# Altium PCB KCP-2282-601-PCBV3.8.PcbDoc (part 3 of 3)
Units mm, origin at the board's own origin, x right, y up, seen from the top; angles counter-clockwise.
Board outline 58.3 x 95.6 mm, 4 copper layers (Top (1), GND (2), VCC (3), Bottom (4)), stack 1.595 mm thick; 164 components, 88 nets, 538 pads, 533 vias.
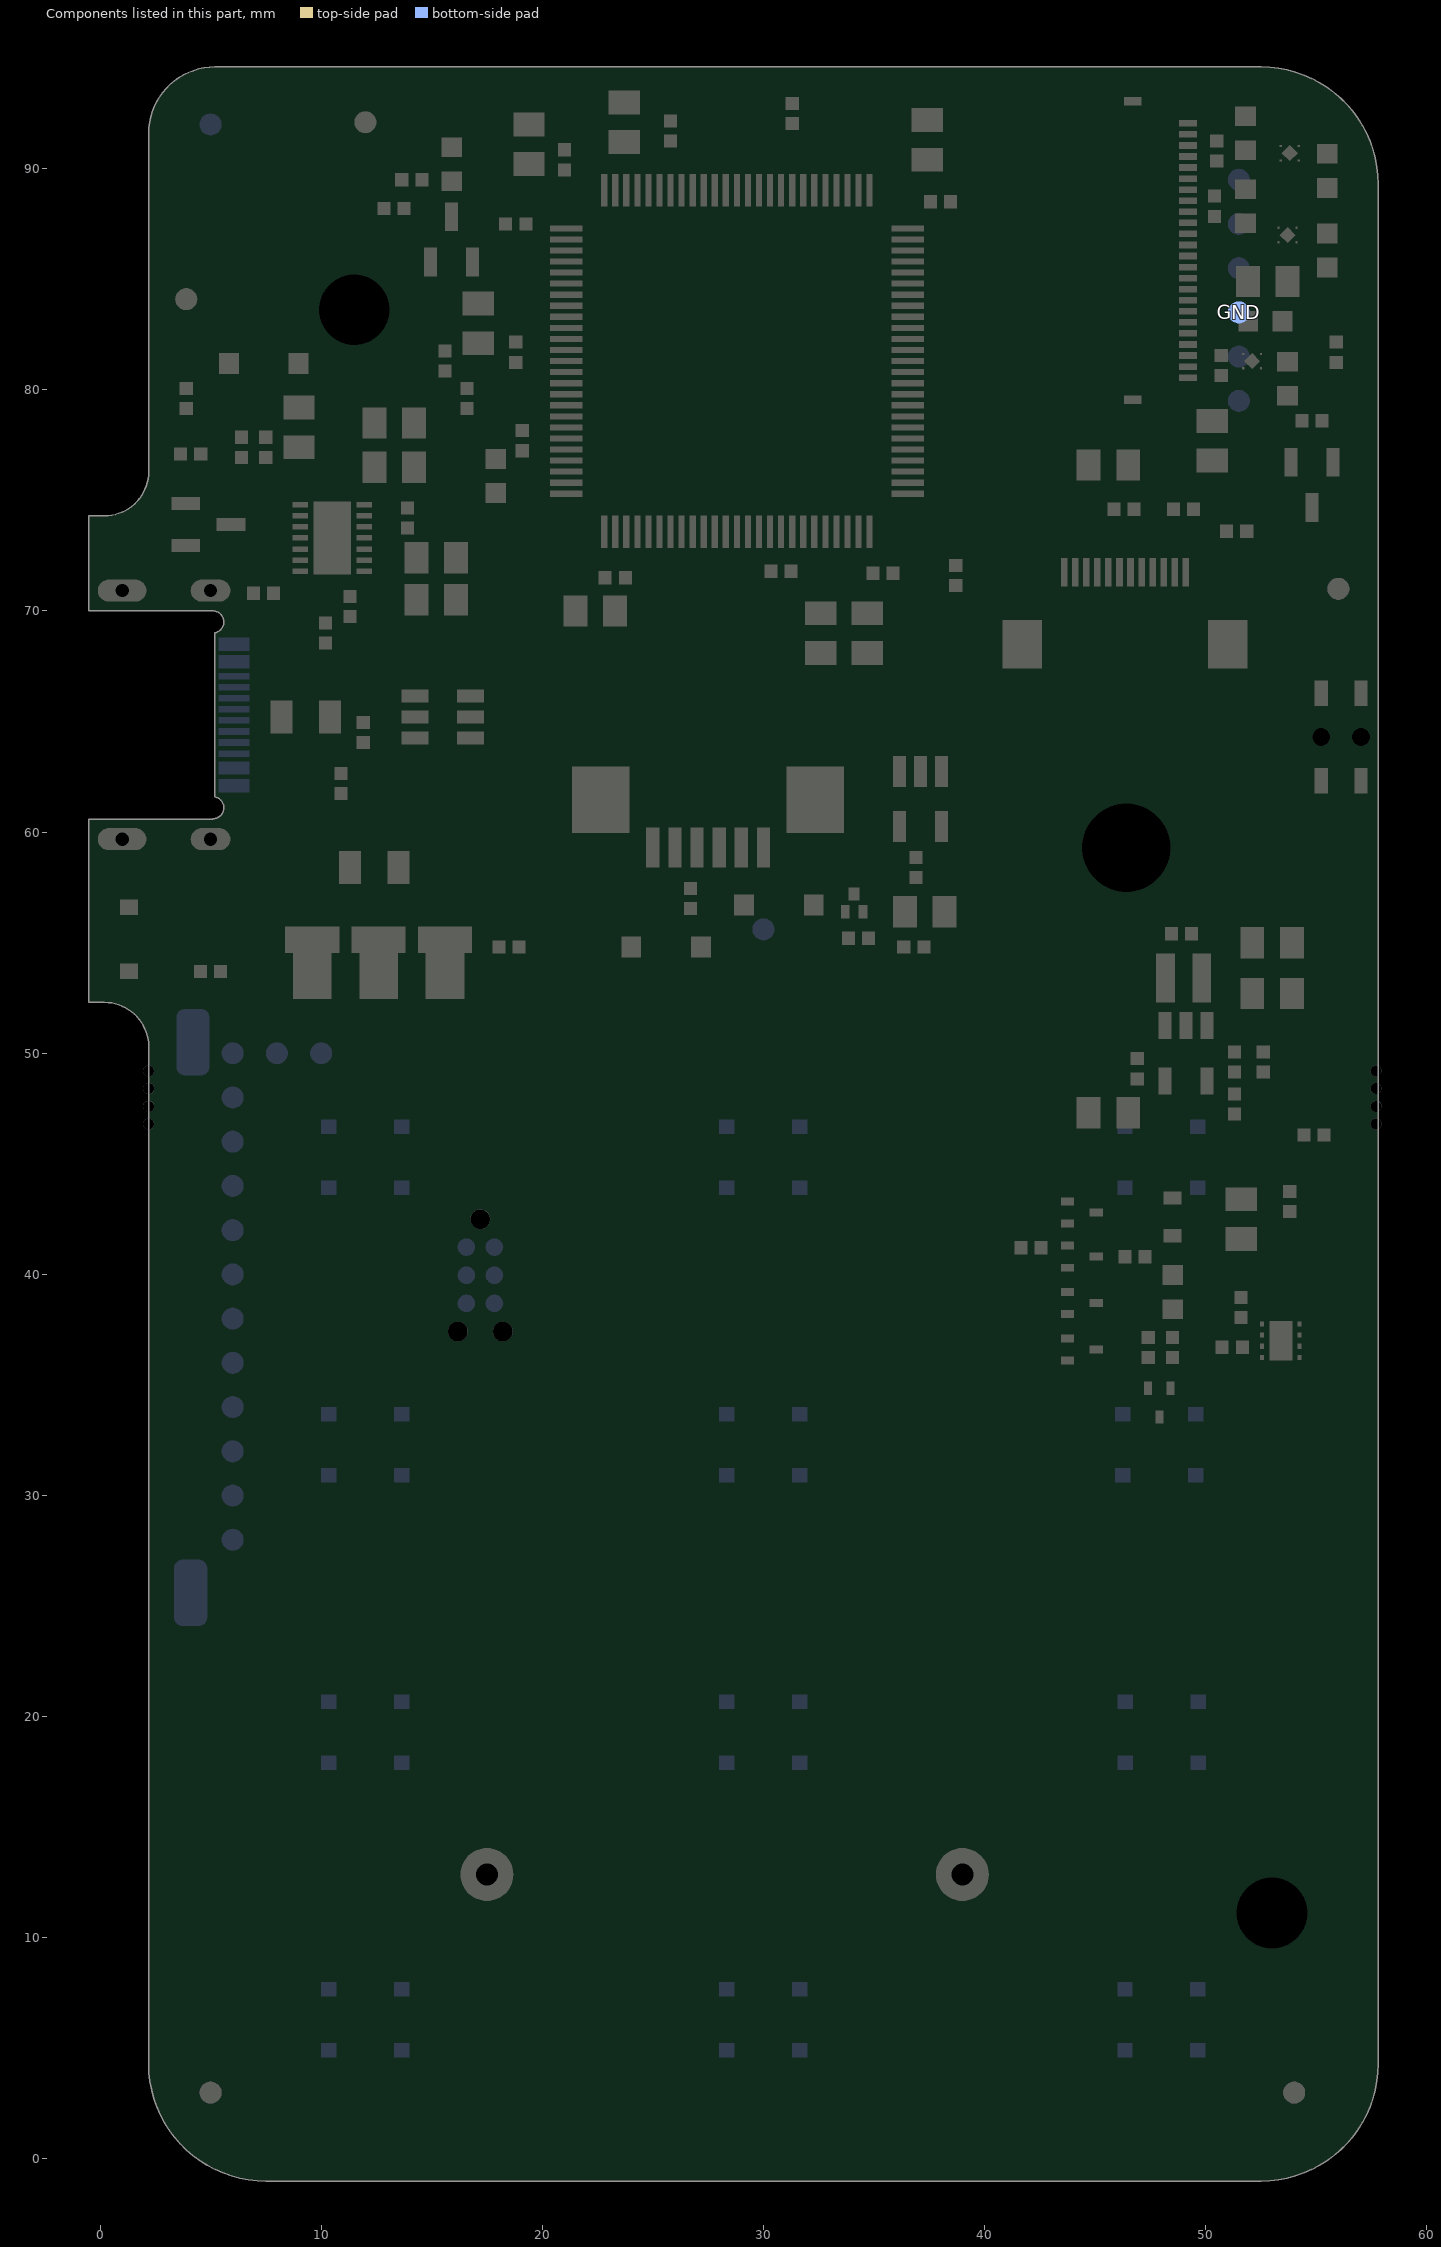
[diagram p5: the components of this part, seen from the top]

## Other copper
Top (1):
  rectangle net V1P8: 50.2,81.6 51.5,86.2
  rectangle net V3P0: 53.7,81 55.1,82.2
  rectangle net V3P0: 16.9,76.7 20.7,77.4
  rectangle net VSYS: 10.4,77.3 12.9,79
  rectangle net BAT: 8.5,75.2 10.7,76.7
  rectangle net BAT: 13.3,57.6 15,60
  rectangle net VSYS: 11.6,74.2 12.9,79.4
  region net V1P8: 36.3,54.2 36.3,56.9 34.6,56.9 34.6,54.2
  rectangle net VUSB: 11.6,73.2 14.3,73.9
  rectangle net VUSB: 13,69.8 14.3,73.9
  rectangle net BAT: 8.4,74.4 9.5,77.4
  rectangle net VSYS: 49.7,37.5 52.6,38.4
  rectangle net VSYS_SWITCHED: 54.2,37.6 55.3,38.4
  rectangle net VSYS_SWITCHED: 46.2,46.1 48.2,49.1
  rectangle net NetC28_1: 49.7,48.2 52.9,49.1
  rectangle net V3P0: 49.2,52.1 52,55.9
  rectangle net NetIC2_3: 47.4,50.6 48.5,54.6
  rectangle net V3P0: 51,49.9 52.9,50.4
  rectangle net V1P8: 23.6,68.1 24.8,70.9
  pour cut-out: 34.3,19 34.9,18.4 35.2,18.4 35.2,21
  pour cut-out: 33.8,27.9 33.8,27 34.9,25.9 34.9,29.3 34.7,29.5
  pour cut-out: 32.7,35 32.7,33.8 34.3,31.9 34.3,33.4
  pour cut-out: 21.8,58.2 20.2,58.2 20,58 19.5,56.6 19.5,53.8 18.7,53.3 18.7,50.6 18.3,48.4 18.3,48.2 19.3,47.2 19.3,41.8 18.7,41.38 19.8,40.4 19.8,45.8 21.5,47.5 22.3,47.5 22.5,47.7 22.5,53.3 23.6,54.4 23.6,55 23.2,55.4 23.2,57.5 22.8,57.9
  pour cut-out: 37.1,57.7 37,57.6 37,56.9 36.3,56.2 32.9,56.2 32.6,56.5 32.6,57.3 32.9,57.3 33.7,58.1 33.9,57.9 36.2,57.9 36.2,60.233 37.3,60.6
  pour cut-out: 37.9,91.3 37.9,88.5 36.6,87.2 35.9,87.2 35.9,84.3 35.1,83.5 35,83.6 33.2,83.6 33.2,80.4 32.8,80 32.6,80.2 32.6,87.6 31.3,88.9 31.3,91.8 31.5,92 31.5,91.9 32.1,91.3
  pour cut-out: 25.9,91.6 24.7,91.6 24.5,91.8 23.8,91.1 23.8,89.6 24.1,89.3 25.8,89.3
  pour cut-out: 13.7,89.6 13.4,89.6 12.7,88.9 12.7,87.5 12.9,87.3 14,87.3 15,86.3 15,85 17,85 17,85.1 17.3,85.4 18.3,85.4 18.9,84.8 18.9,83.3 18.7,83.1 15.4,83.1 15.4,81.4 15.6,81.2 15.6,80.1 17.2,80.1 17.2,81.5 18.2,82.5 19,82.5 19,83.1 19.4,83.5 20.6,83.5 20.7,83.6 20.7,84.8 18.8,84.8 18.3,85.3 18.3,88.1 16.9,89.5 16,89.5 15.6,89.9 14.8,89.9
  pour cut-out: 7.5,77.3 6,77.3 5.8,77.5 3.7,77.5 3.3,77.1 3.3,74.5 4.6,74.5 5.9,73.2 5.9,73.5 7.2,74.8 7.2,75.8 7.6,76.2
  pour cut-out: 12.7,70.9 11.5,70.9 11.5,71.7 12.7,71.7
  pour cut-out: 11.9,68.2 9.8,68.2 9.8,66.4 10.3,66.4 10.4,66.5
  pour cut-out: 6.2,67.6 6.2,63.1 7.1,63.1 7.5,63.5 7.5,67.6
  pour cut-out: 20,74.1 21.4,72.7 22.8,72.7 22.8,74.6 22.9,74.7 22.1,75.5 20,75.5
  pour cut-out: 25.8,75.5 24.8,75.5 23.6,74.3 26.6,74.3
  pour cut-out: 25.3,71.7 25.8,71.2 25.9,71.2 26.4,71.7 26.3,71.8 26.3,72.7 25.4,72.7 25.3,72.6
  pour cut-out: 36,76.3 37.7,76.3 39.6,74.4 39.6,69.8 37.7,69.8 37.7,72.1 36.6,73.2 36.5,73.1 34.9,73.1 34.6,73.4 34.6,75.3
  pour cut-out: 31.9,69.3 28.7,69.3 28.1,69.9 28.3,70.1 28.3,73.3 33.2,73.3 33.3,73.2 33.3,72.1 32.9,71.7
  pour cut-out: 44.3,71 44.3,73.7 44.4,73.8 45.5,73.8 46.3,74.6 46.3,76.6 47.1,77.4 50,77.4 50,76.7 49.3,76 49.3,74 49.7,73.6 49.1,73 49.1,72.6 47.5,71
  pour cut-out: 54.4,74.5 53.9,74 52.2,74 52.2,72.8 52.3,72.9 54.4,72.9 54.9,73.4 54.9,74.2
  pour cut-out: 57.4,67.1 54.8,67.1 54.8,63.1 54.2,62.5 53.3,62.5 56.2,59.6 56.2,60.3 56.4,60.5 57.5,60.5
  pour cut-out: 45.8,42.7 45.8,41.4 46.2,41 45.8,40.6 44.9,40.6 44.9,42.1 44.5,42.5 44.5,43.1 45.5,43.1
  pour cut-out: 50.1,36.6 50.1,36 49.6,35.5 48.4,35.5 48.4,34.1 50.1,34.1 51.1,35.1 52.9,35.1 52.9,35.3 52.5,35.7 52.5,37.1
  pour cut-out: 49.5,85.3 50.1,85.3 51,86.2 51.5,86.2 51.5,87.1 51.6,87.2 51.3,87.5 51.3,88.1 50.9,88.1 50.8,88.2 49.5,88.2
  pour cut-out: 48,85.3 48,81.5 44.8,78.3 42.2,78.3 42.7,77.8 42.7,75 40.4,75 38.5,76.9 37.9,76.9 37.9,76.3 36.2,76.3 36.2,86.1 36.6,86.5 38.2,86.5 40.1,88.4 43.3,88.4 44.6,87.1 48.1,87.1
  pour cut-out: 44.1,41.1 44.1,36.9 43.9,37.1 42.7,37.1 42.5,37.3 42.5,41.6 43.8,41.6
  pour cut-out: 12.3,57.2 11.1,57.2 10.8,56.9 10.8,56.2 11.4,56.2 11.4,54.7 11.8,54.7 11.8,52.4 11,52.4 11,51.2 9.6,49.8 7.2,49.8 6.4,49 5.1,49 4.6,49.5 4.6,50 6.4,51.8 7.7,51.8 8.2,52.3 8.2,54.1 7.9,54.1 7.9,56.2 8.2,56.2 8.2,58.1 9.7,59.6 12.3,59.6
  text "1" at 36.7,1.4 h1
GND (2):
  text "2" at 37.5,1.4 h1
VCC (3):
  rectangle net V3P0: 50.2,54.2 51.5,55.7
  pour cut-out: 8.7,64.8 7.3,63.1 8,62.4 8,61.9 8.1,61.9 8.9,62.7
  pour cut-out: 9.7,43.4 9.6,43.3 8,43.1 7.05,42.15 7.9,40.1 8.8,39.8 8.15,39.15 7.9,39.4 7.6,39.4 6.2,38 5.3,38.4 5.4,41.9 6.5,43 6.5,43.8 6.9,43.8 8.4,45 9.3,44.9
  pour cut-out: 6.1,47.7 8.8,47.7 9.2,48.1 9.2,48.7 9.3,48.7 10.1,49.5 10,49.6 10,50.4 8.3,50.4 7.8,49.9
  pour cut-out: 6.5,36.5 6.5,36.1 5.3,34.9 5.1,34.9 5.1,36.7
  pour cut-out: 6.4,31.9 6.3,31.8 6.3,29.9 5,31.2 5,32.9
  text "3" at 39.4,1.4 h1
Bottom (4):
  rectangle net VSYS: 50.2,35.8 51.6,38.2
  rectangle net USB_5V: 6,62.6 7.7,63.2
  rectangle net USB_5V: 5.9,67.4 7.6,68
  rectangle net BAT: 13.3,58.5 15,60
  pour cut-out: 20.9,56.1 20.9,55.8 21.2,55.5 22.2,55.5 22.2,56.5 22.1,56.6
  pour cut-out: 11.3,63.2 11.7,63.6 13.3,63.6 13.3,70.2 13.1,70 11.3,70 11.3,69.3 10.1,68.1 7.8,68.1 7.7,68.2 5.3,68.2 5.3,62.4 7.7,62.4 7.9,62.6 7.9,63.2
  pour cut-out: 18.3,78.2 18.5,78 18.5,74.4 18,74.4 16.8,75.6 15.9,75.6 14.5,77 14.6,77.1 14.6,77.4 16,77.4 16.3,77.7 16.3,78.2
  pour cut-out: 12.3,90.8 12.3,89.7 12,89.4 11.9,89.5 11,89.5 11,90.7 11.5,91.2
  pour cut-out: 29.2,91.2 28.3,90.3 28.1,90.3 28.1,91.1 27.8,91.4
  pour cut-out: 27.8,89.3 26.8,88.3 26.2,88.3 25.9,88 25.5,88 25.5,85.8 25.6,85.7 35.4,85.7 36,85.1 36,83.8 36.2,83.6 37.4,83.6 37.4,82.6 45.2,82.6 48.4,85.8 48.4,89.5 49.7,90.8 49.6,90.9 49.6,91.1 47.3,91.1 47.3,89.5 45.5,87.7 45,87.7 44.5,88.2 33.9,88.2 32.7,87 30.5,87 30,87.5 30,89 29.8,89.2
  pour cut-out: 28,90.1 37.5,90.1 38.4,91 40.1,91 39.1,92 27.8,92
  pour cut-out: 23,80.3 22.6,79.1 22.6,77.1 23.6,76.1 26,76.1 26,74.9 25.9,74.8 24.1,74.8 23.8,75.1 23.4,75.1 23.2,74.9 23.2,74 21.6,72.4 21.1,72.4 21,72.5 21.1,72.6 21.1,79.4
  pour cut-out: 25.9,69.4 24.8,69.4 22.9,67.5 22.9,68.9 23.8,69.8
  pour cut-out: 24.4,73.7 25.1,71.9 25.8,71.9 28.2,69.5 28.2,73.6 28.4,73.8 28.3,73.9 24.6,73.9
  pour cut-out: 27.8,61.1 27.7,61.1 27.2,60.6 27.4,60.4 28.9,60.4
  pour cut-out: 17.9,42.4 18.3,42 18.3,39.9 17.9,39.5 16.2,39.5 15.5,40.2 15.5,40.8 16.4,41.7 16.4,42.4
  pour cut-out: 6.5,42 7.7,42 7.8,42.1 6.5,43.4
  pour cut-out: 5.4,38 5.4,35.9 5.5,35.8 6.6,35.8 6.6,37.9 6.2,38.3
  pour cut-out: 5.4,48.5 3.1,48.5 3.1,49.8 3,49.9 3,52.5 5.4,52.5 5.4,50.8
  pour cut-out: 35.2,33.4 31.9,33.4 32.6,34.1 32.6,34.9 32.9,35.2 33.8,35.2 35.2,33.8
  text "4" at 40.6,1.4 h1
Multi-Layer:
  pour cut-out: 36.2,2.8 36.2,1 41,1 41,2.8
  pour cut-out: 5.2,49.2 5.2,50.8 6.8,50.8 6.8,49.2

## Silkscreen, mask and mechanical layers (free items; w line width, h text height)
TopOverlay:
  circle w0.254: c33.103,3.174 r1.217
  rectangle: 4.5,86.3 10.5,92.3
  lines w0.254: 31.895,2.768 cw(c30.425,11.85) 28.866,2.783 cw(c28.845,3.082) 28.757,3.369 cw(c30.339,-2.788) 31.903,3.374 ; 32.303,2.974 cw(c32.888,2.688) 33.137,3.29 ; 32.35,2.83 ccw(c32.517,3.459) 33.103,3.174 cw(c33.688,2.888) 33.856,3.518 ; 32.452,5.292 ccw(c32.943,4.806) 32.503,4.274 ; 32.479,5.344 cw(c32.918,4.611) 33.303,5.374 cw(c32.775,4.876) 33.301,4.375 ; 32.603,1.074 32.903,1.974 ; 33.036,3.072 ccw(c33.317,3.659) 33.903,3.374 ; 33.503,1.974 33.803,1.074 ; 34.303,2.874 ccw(c35.866,9.035) 37.448,2.879 ccw(c37.361,3.165) 37.34,3.465 ccw(c35.781,-5.602) 34.31,3.48 ; 44.4,15.6 44.4,21.7 56.5,21.7 56.5,15.6 44.4,15.6
  lines w0.4: 32.503,0.774 32.503,1.274 ; 33.903,0.774 33.903,1.274
  text "WW/YY" at 46,23.9 h2
  text ".ProjectNumber" at 11.1,17.1 h2
  text ".IndexPCB" at 22.3,17.1 h2
  text ".ProjectPCBRev" at 30.1,17 h2
BottomOverlay:
  circle w0.2: c17.497,12.86 r1.6
  circle w0.2: c38.997,12.86 r1.6
  circle w0.2: c42.497,38.86 r1.6
  circle w0.2: c42.497,38.86 r1.2
  circle w0.254: c6.1,26 r0.6
  lines w0.254: 3.8,53.5 4.2,53.1 4.2,52.4 ; 5.8,26 6.4,26
  lines w0.3: 28,56.05 7.8,56.05 7.8,90.65 55.6,90.66 ; 31.1,56.05 55.6,56.05 55.6,90.65
  text "VBAT" at 4.5,53.9 h1
02 - Outline:
  lines w0.2: 5.1,60.58 -0.5,60.58 -0.5,52.3 0.2,52.3 cw(c0.2,50.3) 2.2,50.3 2.2,4.3 ccw(c7.5,4.3) 7.5,-1 52.5,-1 ccw(c52.5,4.3) 57.8,4.3 57.8,89.3 ccw(c52.5,89.3) 52.5,94.6 5.2,94.6 ccw(c5.2,91.6) 2.2,91.6 2.2,76.3 cw(c0.2,76.3) 0.2,74.3 -0.5,74.3 -0.5,70 5.1,70 cw(c5.1,69.5) 5.2,69.01 5.2,61.59 ; 5.1,60.6 ccw(c5.1,61.1) 5.204,61.589
03 - DXF:
  lines w0.254: -4,19.294 65.8,19.294 ; -4,32.294 65.8,32.294 ; -4,45.2 65.8,45.2 ; -2.6,6.294 67.2,6.294 ; 12,-10 12,59.8 ; 30,-10 30,59.8 ; 48,-10 48,59.8
  text "45.294" at -13.4,44.4 h1.52
  text "32.294" at -14.1,31 h1.52
  text "19.294" at -13.4,19.1 h1.52
  text "6.294" at -12,6.2 h1.52
  text "12" at 8.9,-11.9 h1.52
  text "30" at 26.9,-11.9 h1.52
  text "48" at 44.9,-11.9 h1.52
04 - Top Implant:
  lines w0.2: 9.981,83.135 ccw(c11.5,83.64) 13.018,83.135 ; 9.982,84.148 cw(c11.5,83.64) 13.017,84.148 ; 10.994,82.191 10.994,83.135 8.517,83.135 8.517,84.148 10.994,84.148 10.994,85.089 ; 12.006,82.191 12.006,83.135 14.482,83.135 14.482,84.148 12.006,84.148 12.006,85.089
  lines w0.254: 5.3,79.5 6.2,79.5
10 - Spec PCB:
  drawing of 449 lines, arcs and shapes, not listed
  text "PCB DEFINITION" at -120.1,142.4 h3
  text "Layer" at 31.674,140.2 h1.2
  text "Name" at 39.972,140.2 h1.2
  text "Material" at 57.467,140.2 h1.2
  text "Thickness" at 74.762,140.2 h1.2
  text "Constant" at 87.859,140.2 h1.2
  text "Board Layer Stack" at 99.356,140.2 h1.2
  text "X" at -131.1,138.5 h2
  text "X" at -118.6,138.5 h2
  text "X" at -102.1,138.5 h2
  text "ROHS            UL94V0                 TG>=150°C" at -128.6,138.4 h2.2
  text "TopOverlay" at 39.972,137.8 h1.2
  text "X" at -131.1,136 h2
  text "X" at -118.6,136 h2
  text "UL746E" at -128.6,135.9 h2.2
  text "LOW CTE      SMI" at -116.1,135.9 h2.2
  text "TopSolder" at 39.972,135.4 h1.2
  text "Solder Resist" at 57.467,135.4 h1.2
  text "0.010mm" at 74.762,135.4 h1.2
  text "3.5" at 87.859,135.4 h1.2
  text "X" at -131.1,133.5 h2
  text "RIGIDE          FLEX RIGID          FLEX" at -128.6,133.4 h2.2
  text "1" at 31.674,133 h1.2
  text "Top (1)" at 39.972,133 h1.2
  text "0.035mm" at 74.762,133 h1.2
  text "if flex, kapton thickness :" at -117.6,130.9 h2.2
  text "Dielectric1" at 39.972,130.6 h1.2
  text "2116" at 57.467,130.6 h1.2
  text "0.127mm" at 74.762,130.6 h1.2
  text "4.2" at 87.859,130.6 h1.2
  text "X" at -118.6,128.5 h2
  text "HAL                Electroless NI/AU" at -128.6,128.4 h2.2
  text "2" at 31.674,128.2 h1.2
  text "GND (2)" at 39.972,128.2 h1.2
  text "0.035mm" at 74.762,128.2 h1.2
  text "X" at -131.1,126 h2
  text "ELECTRICAL TEST : To be done on all pcb 100%" at -128.6,125.9 h2.2
  text "Dielectric2" at 39.972,125.8 h1.2
  text "FR-4" at 57.467,125.8 h1.2
  text "1.200mm" at 74.762,125.8 h1.2
  text "4.2" at 87.859,125.8 h1.2
  text "X" at -131.1,123.5 h2
  text "DATASHEET OF LAMINATE TO BE SUPPLIED" at -128.6,123.4 h2.2
  text "3" at 31.674,123.4 h1.2
  text "VCC (3)" at 39.972,123.4 h1.2
  text "0.036mm" at 74.762,123.4 h1.2
  text "Dielectric4" at 39.972,121 h1.2
  text "2116" at 57.467,121 h1.2
  text "0.127mm" at 74.762,121 h1.2
  text "4.2" at 87.859,121 h1.2
  text "CONTROLLED IMPEDANCE" at -128.6,120.9 h2.2
  text "4" at 31.674,118.6 h1.2
  text "Bottom (4)" at 39.972,118.6 h1.2
  text "0.035mm" at 74.762,118.6 h1.2
  text "X" at -131.1,118.5 h2
  text "COC CERTIFICATE OF CONFORMITY" at -128.6,118.4 h2.2
  text "BottomSolder" at 39.972,116.2 h1.2
  text "Solder Resist" at 57.467,116.2 h1.2
  text "0.010mm" at 74.762,116.2 h1.2
  text "3.5" at 87.859,116.2 h1.2
  text "IMPEDANCE TEST" at -128.6,115.9 h2.2
  text "BottomOverlay" at 39.972,113.8 h1.2
  text "CERTIFICATE OF SOLDERABILITY" at -128.6,113.4 h2.2
  text "METALLOGRAPHIC TEST REPORT" at -128.6,110.9 h2.2
  text "MATERIAL CERTIFICATES" at -128.6,108.4 h2.2
  text "IONIC CONTAMINATION TEST REPORT" at -128.6,105.9 h2.2
  text "X" at -131.1,103.5 h2
  text "CONTROLLED DIMENSION" at -128.6,103.4 h2.2
  text "OPERATING TEMPERATURE :" at -128.1,100.9 h2.2
  text "0..70°C" at -99.1,100.9 h2.2
  text "X" at -131.1,98.5 h2
  text "IPC A600 current revision level B" at -128.6,98.4 h2.2
  text "TRACK WITH AND SPACING" at -128.6,91.9 h3
  text "MINIMAL TRACK WIDTH" at -132.6,87.9 h2.2
  text "150µm" at -107.6,87.9 h2.2
  text "MINIMAL CLEARANCE" at -132.6,84.9 h2.2
  text "150µm" at -107.6,84.9 h2.2
  text "FINISHED" at -118.6,79.9 h3
  text "X" at -131.1,75.5 h2
  text "TOP SOLDER RESIST" at -128.6,75.4 h2.2
  text "BLACK" at -102.6,75.4 h2.2
  text "X" at -131.1,73 h2
  text "BOTTOM SOLDER RESIST" at -128.6,72.9 h2.2
  text "BLACK" at -102.6,72.876 h2.2
  text "X" at -131.1,70.5 h2
  text "TOP SILSCREEN" at -128.6,70.4 h2.2
  text "WHITE" at -102.6,70.4 h2.2
  text "X" at -131.1,68 h2
  text "BOTTOM SILKSCREEN" at -128.6,67.9 h2.2
  text "WHITE" at -102.6,67.9 h2.2
  text "VCUT" at -128.6,65.4 h2.2
  text "X" at -131.1,63 h2
  text "MILLING" at -128.6,62.9 h2.2
  text "TOTAL : 1.56mm" at -103.1,56.9 h2
  text "STACKUP" at -126.6,56.4 h3
  text "TOP LAYER" at -132.6,51.4 h1.3
  text "35µm FINISHED" at -100.6,51.4 h2.2
  text "35µm FINISHED" at -100.6,49.4 h2.2
  text "FR4" at -128.5,49.3 h1.3
  text "35µm FINISHED" at -100.6,47.4 h2.2
  text "BOTTOM LAYER" at -133.5,46.6 h1.3
  text "35µm FINISHED" at -100.6,45.4 h2.2
  text "COTATION IN mm, +/-0.1" at -130.6,38.4 h2
11 - Spec PCBA:
  lines w0.254: 102.367,96.617 102.367,148.7 126.45,148.7 ; 102.65,96.717 124.517,96.717 ; 121.2,148.7 121.2,96.7 132.7,96.7 132.7,148.7 126.45,148.7 ; 126.45,148.7 126.45,148.7
  text "Label to be added on each pcba with" at -65.1,115.1 h2
  text "COMPONENTS WITH DNI /  IN COLUMN COMMENTS /  OF BOM MUST  /  NOT BE ASSEMBLED ON PCB" at 131.2,107.7 h2.2 r90
  text "Week/Year of assembly" at -47.6,104.8 h2
  text "PCBA DEFINITION" at 106.324,104.257 h4 r90
  text "ROHS" at 109.2,103.2 h2.2 r90
  text "STICKER ON EACH PCBA WITH :" at 111.7,102.7 h2.2 r90
  text "PCBA LABELLING ON TOP" at 116.7,102.7 h2.2 r90
  text "IPC IPC610 CURRENT REVISION CLASS 2" at 119.2,102.7 h2.2 r90
  text "the following information :" at -61.3,101.5 h2
  text "ALTYOR CODE+WEEK/YEAR+PCBA NUMBER" at 114.2,99.7 h2.2 r90
  text "Altyor supplier code" at -56.1,96 h2
  text "PCBA number(0001..000X)" at -60.5,90.6 h2
  text "PCBa labelling on TOP" at -58.7,85.3 h2
12 - Cartouche:
  lines w0.2: -143.842,-42.892 138,-42.892 ; -143.842,153.908 137.9,153.908 ; -143.84,-42.9 -143.84,153.8 ; -143.8,-17.092 -140.7,-17.092 ; -143.8,10.908 -140.7,10.908 ; -143.8,38.908 -140.7,38.908 ; -143.8,66.908 -140.7,66.908 ; -143.8,94.908 -140.7,94.908 ; -143.8,122.908 -140.7,122.908 ; -140.742,-39.792 134.9,-39.792 134.9,150.8 -140.74,150.8 ; -140.74,-39.8 -140.74,150.9 ; -113.15,-42.892 -113.15,-39.792 ; -113.15,150.808 -113.15,153.908 ; -86.38,-42.892 -86.38,-39.792 ; -86.38,150.808 -86.38,153.908 ; -58.38,-42.892 -58.38,-39.792 ; -58.38,150.808 -58.38,153.908 ; -31.58,-42.892 -31.58,-39.792 ; -31.58,150.908 -31.58,154.008 ; -3.58,-42.892 -3.58,-39.792 ; -3.58,150.908 -3.58,154.008 ; 24.62,-42.892 24.62,-39.792 ; 24.62,150.808 24.62,153.908 ; 52.62,-42.892 52.62,-39.792 ; 52.62,150.808 52.62,153.908 ; 79.62,-42.892 79.62,-39.792 ; 79.62,150.808 79.62,153.908 ; 107.21,-42.892 107.21,-39.792 ; 107.21,150.808 107.21,153.908 ; 134.8,-17.092 137.9,-17.092 ; 134.8,10.908 137.9,10.908 ; 134.8,38.908 137.9,38.908 ; 134.8,66.908 137.9,66.908 ; 134.8,94.908 137.9,94.908 ; 134.8,122.908 137.9,122.908 ; 137.9,-43 137.9,153.9 ; -140.859,150.808 ccw(c-140.74,150.808) -140.622,150.808 ; -140.859,150.808 cw(c-140.74,150.808) -140.622,150.808 ; -140.859,150.808 ccw(c-140.74,150.808) -140.622,150.808 ; -140.859,150.808 cw(c-140.74,150.808) -140.622,150.808 ; -131.42,-39.792 ccw(c-131.38,-39.792) -131.341,-39.792 ccw(c-131.38,-39.792) -131.42,-39.792 ; -113.19,-42.892 cw(c-113.15,-42.892) -113.111,-42.892 cw(c-113.15,-42.892) -113.19,-42.892 ; -113.19,-39.792 cw(c-113.15,-39.792) -113.111,-39.792 cw(c-113.15,-39.792) -113.19,-39.792 ; -113.19,150.808 ccw(c-113.15,150.808) -113.111,150.808 ccw(c-113.15,150.808) -113.19,150.808 ; -113.19,153.908 ccw(c-113.15,153.908) -113.111,153.908 ccw(c-113.15,153.908) -113.19,153.908 ; -86.42,-42.892 ccw(c-86.38,-42.892) -86.341,-42.892 ccw(c-86.38,-42.892) -86.42,-42.892 ; -86.42,150.808 cw(c-86.38,150.808) -86.341,150.808 cw(c-86.38,150.808) -86.42,150.808 ; -86.42,153.908 cw(c-86.38,153.908) -86.341,153.908 cw(c-86.38,153.908) -86.42,153.908 ; -58.42,-42.892 ccw(c-58.38,-42.892) -58.341,-42.892 ccw(c-58.38,-42.892) -58.42,-42.892 ; -58.42,-39.792 ccw(c-58.38,-39.792) -58.341,-39.792 ccw(c-58.38,-39.792) -58.42,-39.792 ; -58.42,150.808 cw(c-58.38,150.808) -58.341,150.808 cw(c-58.38,150.808) -58.42,150.808 ; -58.42,153.908 cw(c-58.38,153.908) -58.341,153.908 cw(c-58.38,153.908) -58.42,153.908 ; -31.62,-42.892 cw(c-31.58,-42.892) -31.541,-42.892 cw(c-31.58,-42.892) -31.62,-42.892 ; -31.62,150.908 ccw(c-31.58,150.908) -31.541,150.908 ccw(c-31.58,150.908) -31.62,150.908 ; -31.62,154.008 ccw(c-31.58,154.008) -31.541,154.008 ccw(c-31.58,154.008) -31.62,154.008 ; -3.62,-42.892 cw(c-3.58,-42.892) -3.541,-42.892 cw(c-3.58,-42.892) -3.62,-42.892 ; -3.62,-39.792 cw(c-3.58,-39.792) -3.541,-39.792 cw(c-3.58,-39.792) -3.62,-39.792 ; -3.62,150.908 ccw(c-3.58,150.908) -3.541,150.908 ccw(c-3.58,150.908) -3.62,150.908 ; -3.62,154.008 ccw(c-3.58,154.008) -3.541,154.008 ccw(c-3.58,154.008) -3.62,154.008 ; 24.58,-42.892 ccw(c24.62,-42.892) 24.659,-42.892 ccw(c24.62,-42.892) 24.58,-42.892 ; 24.58,-39.792 ccw(c24.62,-39.792) 24.659,-39.792 ccw(c24.62,-39.792) 24.58,-39.792 ; 24.58,150.808 cw(c24.62,150.808) 24.659,150.808 cw(c24.62,150.808) 24.58,150.808 ; 24.58,153.908 cw(c24.62,153.908) 24.659,153.908 cw(c24.62,153.908) 24.58,153.908 ; 52.58,-42.892 ccw(c52.62,-42.892) 52.659,-42.892 ccw(c52.62,-42.892) 52.58,-42.892 ; 52.58,-39.792 ccw(c52.62,-39.792) 52.659,-39.792 ccw(c52.62,-39.792) 52.58,-39.792 ; 52.58,150.808 cw(c52.62,150.808) 52.659,150.808 cw(c52.62,150.808) 52.58,150.808 ; 52.58,153.908 cw(c52.62,153.908) 52.659,153.908 cw(c52.62,153.908) 52.58,153.908 ; 79.58,-42.892 cw(c79.62,-42.892) 79.659,-42.892 cw(c79.62,-42.892) 79.58,-42.892 ; 79.58,-39.792 cw(c79.62,-39.792) 79.659,-39.792 cw(c79.62,-39.792) 79.58,-39.792 ; 79.58,150.808 ccw(c79.62,150.808) 79.659,150.808 ccw(c79.62,150.808) 79.58,150.808 ; 79.58,153.908 ccw(c79.62,153.908) 79.659,153.908 ccw(c79.62,153.908) 79.58,153.908
  lines w0.254: -47.542,-39.7 -47.442,-39.8 ; 7.258,-39.7 7.358,-39.8
  lines w0.5: -132.496,-28.521 -128.582,-22.424 -124.565,-28.33 ; -132.484,-28.547 cw(c-128.584,-26.231) -124.561,-28.326 ; -131.552,-29.694 -128.552,-25.037 -126.547,-27.985 -128.947,-27.991 ; -131.535,-29.661 ccw(c-128.577,-26.248) -125.594,-29.638 -131.272,-29.638 -130.833,-28.98 ; -130.855,-29.004 cw(c-129.008,-30.199) -128.942,-28
  lines w1: -140.642,-17.1 -47.542,-17.1 ; -117.042,-39.7 -117.042,-17.1 ; -116.742,-35.7 -74.942,-35.7 ; -116.742,-30.9 -47.742,-30.9 ; -116.742,-24.5 -47.742,-24.5 ; -74.742,-39.2 -74.742,-31.2 ; -60.342,-39.2 -60.342,-30.8 ; -47.342,-39.8 -47.342,-17.2
  text "5" at -17.742,151.9 h1.1
  text "6" at 10.258,151.9 h1.1
  text "1" at -127.542,151.8 h1.1
  text "2" at -100.542,151.8 h1.1
  text "3" at -72.542,151.8 h1.1
  text "4" at -44.542,151.8 h1.1
  text "7" at 38.458,151.8 h1.1
  text "8" at 65.458,151.8 h1.1
  text "9" at 92.458,151.8 h1.1
  text "10" at 121.458,151.8 h1.1
  text "A" at -142.842,137.5 h1.1
  text "A" at 135.758,137.5 h1.1
  text "B" at -142.842,109.5 h1.1
  text "B" at 135.758,109.5 h1.1
  text "C" at -142.842,81.5 h1.1
  text "C" at 135.758,81.5 h1.1
  text "D" at -142.842,53.5 h1.1
  text "D" at 135.758,53.5 h1.1
  text "E" at -142.842,25.5 h1.1
  text "E" at 135.758,25.5 h1.1
  text "F" at -142.842,-2.5 h1.1
  text "F" at 135.758,-2.5 h1.1
  text ".ProjectNumber" at -114.742,-22.4 h2.7
  text ".IndexPCB" at -98.5,-22.5 h2.7
  text "-" at -100.7,-22.7 h3
  text ".Printout_Name" at -113.942,-28.4 h2
  text "G" at 135.758,-30.5 h1.1
  text "G" at -142.842,-30.6 h1.1
  text "TOLERANCE" at -71.942,-33.2 h1
  text "REVISION" at -58.342,-33.2 h1
  text "DATE" at -115.142,-34 h1.5
  text ".Print_Date" at -95.542,-34 h1.5
  text "ALTYOR" at -137.742,-35.2 h3
  text "121 Rue des Hetres" at -137.688,-37.079 h0.8
  text "0.2mm" at -71.942,-38 h2
  text ".ProjectPCBRev" at -58.742,-38 h2.5
  text "DESSINATEUR" at -115.142,-38.4 h1.5
  text ".PCBAutor" at -95.542,-38.4 h1.5
  text "45590 SAINT CYR EN VAL" at -137.842,-38.6 h0.8
  text "1" at -127.542,-41.9 h1.1
  text "2" at -100.542,-41.9 h1.1
  text "3" at -72.542,-41.9 h1.1
  text "4" at -44.542,-41.9 h1.1
  text "5" at -17.742,-41.9 h1.1
  text "6" at 10.258,-41.9 h1.1
  text "7" at 38.458,-41.9 h1.1
  text "8" at 65.458,-41.9 h1.1
  text "9" at 92.458,-41.9 h1.1
  text "10" at 121.458,-41.9 h1.1
14 - Milling:
  lines w1: 1.7,46 1.7,4.3 ccw(c7.5,4.3) 7.5,-1.5 ; 1.7,50.1 1.7,50.3 ccw(c0.2,50.3) 0.2,51.8 -1,51.8 -1,61.1 5.1,61.1 ; 4.7,61.1 4.7,69.5 ; 5.1,69.5 -1,69.5 -1,74.8 0.2,74.8 ccw(c0.2,76.3) 1.7,76.3 1.7,91.6 cw(c5.2,91.6) 5.2,95.1 ; 52.5,-1.5 ccw(c52.5,4.3) 58.3,4.3 58.3,46 ; 52.5,95.1 cw(c52.5,89.3) 58.3,89.3 58.3,50
Drill Drawing:
  circle w0.25: c-74.392,132.967 r0.667
  lines w0.25: -76.27,113.4 -27.222,113.4 ; -76.27,143.4 -27.222,143.4 ; -65.093,110.4 -65.093,146.4 ; -52.996,110.4 -52.996,146.4 ; -38.4,110.4 -38.4,146.4 ; -76.27,110.4 -27.222,110.4 -27.222,146.4 -76.27,146.4 -76.27,110.4 ; -75.059,114.633 -74.726,114.633 -74.726,114.3 -74.059,114.3 -74.059,114.633 -73.726,114.633 -73.726,115.3 -74.059,115.3 -74.059,115.633 -74.726,115.633 -74.726,115.3 -75.059,115.3 -75.059,114.633 ; -75.059,118.633 -73.726,118.633 -74.392,117.3 -75.059,118.633 ; -75.059,120.967 -74.392,120.3 -73.726,120.967 -74.392,121.633 -75.059,120.967 ; -75.059,123.3 -73.726,123.3 -73.726,124.633 -75.059,124.633 -75.059,123.3 ; -75.059,126.3 -74.392,126.633 -73.726,126.3 -74.059,126.967 -73.726,127.633 -74.392,127.3 -75.059,127.633 -74.726,126.967 -75.059,126.3 ; -75.059,129.3 -73.726,129.3 -73.726,130.633 -75.059,130.633 -75.059,129.3 ; -75.059,135.3 -75.059,135.633 -74.726,135.967 -75.059,136.3 -75.059,136.633 -74.726,136.633 -74.392,136.3 -74.059,136.633 -73.726,136.633 -73.726,136.3 -74.059,135.967 -73.726,135.633 -73.726,135.3 -74.059,135.3 -74.392,135.633 -74.726,135.3 -75.059,135.3 ; -75.059,138.3 -74.392,138.633 -73.726,138.3 -74.059,138.967 -73.726,139.633 -74.392,139.3 -75.059,139.633 -74.726,138.967 -75.059,138.3 ; -75.059,141.633 -74.726,141.633 -74.392,141.3 -74.059,141.633 -73.726,141.633 -74.059,141.967 -73.726,142.3 -74.059,142.3 -74.392,142.633 -74.726,142.3 -75.059,142.3 -74.726,141.967 -75.059,141.633 ; -74.792,114.767 -74.592,114.767 -74.592,114.567 -74.192,114.567 -74.192,114.767 -73.992,114.767 -73.992,115.167 -74.192,115.167 -74.192,115.367 -74.592,115.367 -74.592,115.167 -74.792,115.167 -74.792,114.767 ; -74.792,129.567 -73.992,129.567 -73.992,130.367 -74.792,130.367 -74.792,129.567 ; -74.792,138.567 -74.392,138.767 -73.992,138.567 -74.192,138.967 -73.992,139.367 -74.392,139.167 -74.792,139.367 -74.592,138.967 -74.792,138.567
  text "Symbol" at -74.47,144.3 h1.44
  text "Count" at -64.193,144.3 h1.44
  text "Hole Size" at -52.096,144.3 h1.44
  text "Plated" at -37.5,144.3 h1.44
  text "8" at -64.193,141.3 h1.2
  text "0,50mm" at -52.096,141.3 h1.2
  text "NPTH" at -37.5,141.3 h1.2
  text "2" at -64.193,138.3 h1.2
  text "0,80mm" at -52.096,138.3 h1.2
  text "NPTH" at -37.5,138.3 h1.2
  text "3" at -64.193,135.3 h1.2
  text "0,89mm" at -52.096,135.3 h1.2
  text "NPTH" at -37.5,135.3 h1.2
  text "2" at -64.193,132.3 h1.2
  text "3,20mm" at -52.096,132.3 h1.2
  text "NPTH" at -37.5,132.3 h1.2
  text "1" at -64.193,129.3 h1.2
  text "4,00mm" at -52.096,129.3 h1.2
  text "NPTH" at -37.5,129.3 h1.2
  text "95" at -64.193,126.3 h1.2
  text "0,20mm" at -52.096,126.3 h1.2
  text "PTH" at -37.5,126.3 h1.2
  text "438" at -64.193,123.3 h1.2
  text "0,30mm" at -52.096,123.3 h1.2
  text "PTH" at -37.5,123.3 h1.2
  text "2" at -64.193,120.3 h1.2
  text "0,60mm" at -52.096,120.3 h1.2
  text "PTH" at -37.5,120.3 h1.2
  text "2" at -64.193,117.3 h1.2
  text "0,60mm" at -52.096,117.3 h1.2
  text "PTH" at -37.5,117.3 h1.2
  text "2" at -64.193,114.3 h1.2
  text "1,00mm" at -52.096,114.3 h1.2
  text "PTH" at -37.5,114.3 h1.2
  text "555 Total" at -64.193,111.3 h1.2
  text "Slot definitions :" at -74.47,108.301 h1.2
  text "Routed Path Length" at -53.677,108.301 h1.2
  text "= Calculated from tool start centre position to tool end centre position." at -31.483,108.301 h1.2
  text "Hole Length" at -53.677,106.201 h1.2
  text "= Routed Path Length + Tool Size = Slot length as defined in the PCB layout" at -39.681,106.201 h1.2
18 - Cart Mir:
  lines w0.2: -143.842,-43 -143.842,153.9 ; -143.842,-42.892 137.8,-42.892 ; -143.842,-17.092 -140.742,-17.092 ; -143.842,10.908 -140.742,10.908 ; -143.842,38.908 -140.742,38.908 ; -143.842,66.908 -140.742,66.908 ; -143.842,94.908 -140.742,94.908 ; -143.842,122.908 -140.742,122.908 ; -143.842,153.908 137.9,153.908 ; -113.152,-42.892 -113.152,-39.792 ; -113.152,150.808 -113.152,153.908 ; -85.562,-42.892 -85.562,-39.792 ; -85.562,150.808 -85.562,153.908 ; -58.562,-42.892 -58.562,-39.792 ; -58.562,150.808 -58.562,153.908 ; -31.062,-42.892 -31.062,-39.792 ; -30.262,150.808 -30.262,153.908 ; -3.062,-42.892 -3.062,-39.792 ; -2.262,150.808 -2.262,153.908 ; 24.438,-42.892 24.438,-39.792 ; 25.738,150.808 25.738,153.908 ; 52.438,-42.892 52.438,-39.792 ; 52.508,150.808 52.508,153.908 ; 80.438,-42.892 80.438,-39.792 ; 80.438,150.808 80.438,153.908 ; 107.208,-42.892 107.208,-39.792 ; 107.208,150.808 107.208,153.908 ; 134.758,122.908 137.858,122.908 ; 134.798,-39.8 134.798,150.7 ; 134.8,-39.792 -140.8,-39.792 -140.8,150.8 134.8,150.8 ; 134.858,-16.992 137.958,-16.992 ; 134.858,10.908 137.958,10.908 ; 134.858,38.908 137.958,38.908 ; 134.858,66.908 137.958,66.908 ; 134.858,94.908 137.958,94.908 ; 137.898,-42.9 137.898,153.9 ; 134.68,150.808 cw(c134.798,150.808) 134.916,150.808 ; 134.68,150.808 ccw(c134.798,150.808) 134.916,150.808 ; 134.68,150.808 cw(c134.798,150.808) 134.916,150.808 ; 134.68,150.808 ccw(c134.798,150.808) 134.916,150.808 ; -85.601,-42.892 ccw(c-85.562,-42.892) -85.523,-42.892 ccw(c-85.562,-42.892) -85.601,-42.892 ; -85.601,-39.792 ccw(c-85.562,-39.792) -85.523,-39.792 ccw(c-85.562,-39.792) -85.601,-39.792 ; -85.601,150.808 cw(c-85.562,150.808) -85.523,150.808 cw(c-85.562,150.808) -85.601,150.808 ; -85.601,153.908 cw(c-85.562,153.908) -85.523,153.908 cw(c-85.562,153.908) -85.601,153.908 ; -58.601,-42.892 cw(c-58.562,-42.892) -58.523,-42.892 cw(c-58.562,-42.892) -58.601,-42.892 ; -58.601,-39.792 cw(c-58.562,-39.792) -58.523,-39.792 cw(c-58.562,-39.792) -58.601,-39.792 ; -58.601,150.808 ccw(c-58.562,150.808) -58.523,150.808 ccw(c-58.562,150.808) -58.601,150.808 ; -58.601,153.908 ccw(c-58.562,153.908) -58.523,153.908 ccw(c-58.562,153.908) -58.601,153.908 ; -31.101,-42.892 ccw(c-31.062,-42.892) -31.023,-42.892 ccw(c-31.062,-42.892) -31.101,-42.892 ; -31.101,-39.792 ccw(c-31.062,-39.792) -31.023,-39.792 ccw(c-31.062,-39.792) -31.101,-39.792 ; -30.301,150.808 ccw(c-30.262,150.808) -30.223,150.808 ccw(c-30.262,150.808) -30.301,150.808 ; -30.301,153.908 ccw(c-30.262,153.908) -30.223,153.908 ccw(c-30.262,153.908) -30.301,153.908 ; -3.101,-42.892 ccw(c-3.062,-42.892) -3.023,-42.892 ccw(c-3.062,-42.892) -3.101,-42.892 ; -3.101,-39.792 ccw(c-3.062,-39.792) -3.023,-39.792 ccw(c-3.062,-39.792) -3.101,-39.792 ; -2.301,150.808 ccw(c-2.262,150.808) -2.223,150.808 ccw(c-2.262,150.808) -2.301,150.808 ; -2.301,153.908 ccw(c-2.262,153.908) -2.223,153.908 ccw(c-2.262,153.908) -2.301,153.908 ; 24.399,-42.892 cw(c24.438,-42.892) 24.477,-42.892 cw(c24.438,-42.892) 24.399,-42.892 ; 24.399,-39.792 cw(c24.438,-39.792) 24.477,-39.792 cw(c24.438,-39.792) 24.399,-39.792 ; 25.699,150.808 ccw(c25.738,150.808) 25.777,150.808 ccw(c25.738,150.808) 25.699,150.808 ; 25.699,153.908 ccw(c25.738,153.908) 25.777,153.908 ccw(c25.738,153.908) 25.699,153.908 ; 52.399,-42.892 cw(c52.438,-42.892) 52.477,-42.892 cw(c52.438,-42.892) 52.399,-42.892 ; 52.399,-39.792 cw(c52.438,-39.792) 52.477,-39.792 cw(c52.438,-39.792) 52.399,-39.792 ; 52.469,150.808 cw(c52.508,150.808) 52.547,150.808 cw(c52.508,150.808) 52.469,150.808 ; 52.469,153.908 cw(c52.508,153.908) 52.547,153.908 cw(c52.508,153.908) 52.469,153.908 ; 80.399,-42.892 cw(c80.438,-42.892) 80.477,-42.892 cw(c80.438,-42.892) 80.399,-42.892 ; 80.399,150.808 cw(c80.438,150.808) 80.477,150.808 cw(c80.438,150.808) 80.399,150.808 ; 80.399,153.908 cw(c80.438,153.908) 80.477,153.908 cw(c80.438,153.908) 80.399,153.908 ; 107.169,-42.892 ccw(c107.208,-42.892) 107.247,-42.892 ccw(c107.208,-42.892) 107.169,-42.892 ; 107.169,-39.792 ccw(c107.208,-39.792) 107.247,-39.792 ccw(c107.208,-39.792) 107.169,-39.792 ; 107.169,150.808 ccw(c107.208,150.808) 107.247,150.808 ccw(c107.208,150.808) 107.169,150.808 ; 107.169,153.908 ccw(c107.208,153.908) 107.247,153.908 ccw(c107.208,153.908) 107.169,153.908 ; 125.399,-39.792 cw(c125.438,-39.792) 125.477,-39.792 cw(c125.438,-39.792) 125.399,-39.792
  lines w0.254: -14,-39.8 -13.9,-39.7 ; 41.5,-39.8 41.6,-39.7
  lines w0.5: 118.619,-28.326 cw(c122.642,-26.231) 126.542,-28.547 ; 118.623,-28.33 122.64,-22.424 126.554,-28.521 ; 123,-28 cw(c123.066,-30.199) 124.913,-29.004 ; 123.005,-27.991 120.605,-27.985 122.61,-25.037 125.61,-29.694 ; 124.89,-28.98 125.33,-29.638 119.652,-29.638 ccw(c122.635,-26.248) 125.593,-29.661
  lines w1: 41.4,-39.8 41.4,-17.2 ; 41.6,-17.1 134.7,-17.1 ; 41.8,-30.9 110.8,-30.9 ; 41.8,-24.5 110.8,-24.5 ; 54.4,-39.2 54.4,-30.8 ; 68.8,-39.2 68.8,-31.2 ; 69,-35.7 110.8,-35.7 ; 111.1,-39.7 111.1,-17.1
  text "10" at -127.4,151.8 h1.1
  text "9" at -98.4,151.8 h1.1
  text "8" at -71.4,151.8 h1.1
  text "7" at -44.4,151.8 h1.1
  text "6" at -16.1,151.8 h1.1
  text "5" at 11.9,151.8 h1.1
  text "4" at 39.9,151.8 h1.1
  text "3" at 66.9,151.8 h1.1
  text "2" at 94.6,151.8 h1.1
  text "1" at 121.6,151.8 h1.1
  text "A" at -141.7,137.5 h1.1
  text "A" at 136.9,137.5 h1.1
  text "B" at -141.7,109.5 h1.1
  text "B" at 137,109.5 h1.1
  text "C" at -141.7,81.5 h1.1
  text "C" at 137,81.5 h1.1
  text "D" at -141.7,53.5 h1.1
  text "D" at 137,53.5 h1.1
  text "E" at -141.7,25.5 h1.1
  text "E" at 137,25.5 h1.1
  text "F" at -141.7,-2.5 h1.1
  text "G" at 137,-2.5 h1.1
  text ".IndexPCBA" at 92.6,-22.1 h2.7
  text ".ProjectNumber" at 108.8,-22.4 h2.7
  text "-" at 94.9,-22.5 h3
  text ".Printout_Name" at 108,-28.4 h2
  text "F" at 137,-30.4 h1.1
  text "G" at -141.7,-30.5 h1.1
  text "REVISION" at 52.4,-33.2 h1
  text "TOLERANCE" at 66,-33.2 h1
  text ".Print_Date" at 89.6,-34 h1.5
  text "DATE" at 109.2,-34 h1.5
  text "ALTYOR" at 131.8,-35.2 h3
  text "121 Rue des Hetres" at 131.746,-37.079 h0.8
  text ".ProjectPCBRev" at 52.8,-38 h2.5
  text "0.2mm" at 66,-38 h2
  text ".PCBAutor" at 89.6,-38.4 h1.5
  text "DESSINATEUR" at 109.2,-38.4 h1.5
  text "45590 SAINT CYR EN VAL" at 131.9,-38.6 h0.8
  text "10" at -127.4,-41.9 h1.1
  text "9" at -98.4,-41.9 h1.1
  text "8" at -71.4,-41.9 h1.1
  text "7" at -44.4,-41.9 h1.1
  text "6" at -16.9,-41.9 h1.1
  text "5" at 11.1,-41.9 h1.1
  text "4" at 38.6,-41.9 h1.1
  text "3" at 66.6,-41.9 h1.1
  text "2" at 94.6,-41.9 h1.1
  text "1" at 121.6,-41.9 h1.1
19 - Cart 604:
  lines w0.2: -143.842,-42.892 137.9,-42.892 ; -143.842,153.908 137.9,153.908 ; -143.84,-42.9 -143.84,153.8 ; -143.8,-17.092 -140.7,-17.092 ; -143.8,10.908 -140.7,10.908 ; -143.8,38.908 -140.7,38.908 ; -143.8,66.908 -140.7,66.908 ; -143.8,94.908 -140.7,94.908 ; -143.8,122.908 -140.7,122.908 ; -140.742,-39.792 134.8,-39.792 134.8,150.8 -140.74,150.8 ; -140.74,-39.8 -140.74,150.7 ; -113.15,-42.892 -113.15,-39.792 ; -113.15,150.808 -113.15,153.908 ; -86.38,-42.892 -86.38,-39.792 ; -86.38,150.808 -86.38,153.908 ; -58.38,-42.892 -58.38,-39.792 ; -58.38,150.808 -58.38,153.908 ; -30.88,-42.892 -30.88,-39.792 ; -30.08,150.808 -30.08,153.908 ; -2.88,-42.892 -2.88,-39.792 ; -2.08,150.808 -2.08,153.908 ; 24.62,-42.892 24.62,-39.792 ; 24.92,150.808 24.92,153.908 ; 52.51,150.808 52.51,153.908 ; 52.62,-42.892 52.62,-39.792 ; 79.62,-42.892 79.62,-39.792 ; 79.62,150.808 79.62,153.908 ; 107.21,-42.892 107.21,-39.792 ; 107.21,150.808 107.21,153.908 ; 134.8,122.908 137.9,122.908 ; 134.9,-16.992 138,-16.992 ; 134.9,10.908 138,10.908 ; 134.9,38.908 138,38.908 ; 134.9,66.908 138,66.908 ; 134.9,94.908 138,94.908 ; 137.9,-43 137.9,153.9 ; -140.859,150.808 ccw(c-140.74,150.808) -140.622,150.808 ; -140.859,150.808 cw(c-140.74,150.808) -140.622,150.808 ; -140.859,150.808 ccw(c-140.74,150.808) -140.622,150.808 ; -140.859,150.808 cw(c-140.74,150.808) -140.622,150.808 ; -131.42,-39.792 ccw(c-131.38,-39.792) -131.341,-39.792 ccw(c-131.38,-39.792) -131.42,-39.792 ; -113.19,-42.892 cw(c-113.15,-42.892) -113.111,-42.892 cw(c-113.15,-42.892) -113.19,-42.892 ; -113.19,-39.792 cw(c-113.15,-39.792) -113.111,-39.792 cw(c-113.15,-39.792) -113.19,-39.792 ; -113.19,150.808 ccw(c-113.15,150.808) -113.111,150.808 ccw(c-113.15,150.808) -113.19,150.808 ; -113.19,153.908 ccw(c-113.15,153.908) -113.111,153.908 ccw(c-113.15,153.908) -113.19,153.908 ; -86.42,-42.892 ccw(c-86.38,-42.892) -86.341,-42.892 ccw(c-86.38,-42.892) -86.42,-42.892 ; -86.42,150.808 cw(c-86.38,150.808) -86.341,150.808 cw(c-86.38,150.808) -86.42,150.808 ; -86.42,153.908 cw(c-86.38,153.908) -86.341,153.908 cw(c-86.38,153.908) -86.42,153.908 ; -58.42,-42.892 ccw(c-58.38,-42.892) -58.341,-42.892 ccw(c-58.38,-42.892) -58.42,-42.892 ; -58.42,-39.792 ccw(c-58.38,-39.792) -58.341,-39.792 ccw(c-58.38,-39.792) -58.42,-39.792 ; -58.42,150.808 cw(c-58.38,150.808) -58.341,150.808 cw(c-58.38,150.808) -58.42,150.808 ; -58.42,153.908 cw(c-58.38,153.908) -58.341,153.908 cw(c-58.38,153.908) -58.42,153.908 ; -30.92,-42.892 cw(c-30.88,-42.892) -30.841,-42.892 cw(c-30.88,-42.892) -30.92,-42.892 ; -30.92,-39.792 cw(c-30.88,-39.792) -30.841,-39.792 cw(c-30.88,-39.792) -30.92,-39.792 ; -30.12,150.808 cw(c-30.08,150.808) -30.041,150.808 cw(c-30.08,150.808) -30.12,150.808 ; -30.12,153.908 cw(c-30.08,153.908) -30.041,153.908 cw(c-30.08,153.908) -30.12,153.908 ; -2.92,-42.892 cw(c-2.88,-42.892) -2.841,-42.892 cw(c-2.88,-42.892) -2.92,-42.892 ; -2.92,-39.792 cw(c-2.88,-39.792) -2.841,-39.792 cw(c-2.88,-39.792) -2.92,-39.792 ; -2.12,150.808 cw(c-2.08,150.808) -2.041,150.808 cw(c-2.08,150.808) -2.12,150.808 ; -2.12,153.908 cw(c-2.08,153.908) -2.041,153.908 cw(c-2.08,153.908) -2.12,153.908 ; 24.58,-42.892 ccw(c24.62,-42.892) 24.659,-42.892 ccw(c24.62,-42.892) 24.58,-42.892 ; 24.58,-39.792 ccw(c24.62,-39.792) 24.659,-39.792 ccw(c24.62,-39.792) 24.58,-39.792 ; 24.88,150.808 ccw(c24.92,150.808) 24.959,150.808 ccw(c24.92,150.808) 24.88,150.808 ; 24.88,153.908 ccw(c24.92,153.908) 24.959,153.908 ccw(c24.92,153.908) 24.88,153.908 ; 52.58,-42.892 ccw(c52.62,-42.892) 52.659,-42.892 ccw(c52.62,-42.892) 52.58,-42.892 ; 52.58,-39.792 ccw(c52.62,-39.792) 52.659,-39.792 ccw(c52.62,-39.792) 52.58,-39.792 ; 79.58,-42.892 cw(c79.62,-42.892) 79.659,-42.892 cw(c79.62,-42.892) 79.58,-42.892 ; 79.58,-39.792 cw(c79.62,-39.792) 79.659,-39.792 cw(c79.62,-39.792) 79.58,-39.792 ; 79.58,150.808 cw(c79.62,150.808) 79.659,150.808 cw(c79.62,150.808) 79.58,150.808 ; 79.58,153.908 cw(c79.62,153.908) 79.659,153.908 cw(c79.62,153.908) 79.58,153.908
  lines w0.254: -47.542,-39.7 -47.442,-39.8
  lines w0.5: -132.496,-28.521 -128.582,-22.424 -124.565,-28.33 ; -132.484,-28.547 cw(c-128.584,-26.231) -124.561,-28.326 ; -131.552,-29.694 -128.552,-25.037 -126.547,-27.985 -128.947,-27.991 ; -131.535,-29.661 ccw(c-128.577,-26.248) -125.594,-29.638 -131.272,-29.638 -130.833,-28.98 ; -130.855,-29.004 cw(c-129.008,-30.199) -128.942,-28
  lines w1: -140.642,-17.1 -47.542,-17.1 ; -117.042,-39.7 -117.042,-17.1 ; -116.742,-35.7 -74.942,-35.7 ; -116.742,-30.9 -47.742,-30.9 ; -116.742,-24.5 -47.742,-24.5 ; -74.742,-39.2 -74.742,-31.2 ; -60.342,-39.2 -60.342,-30.8 ; -47.342,-39.8 -47.342,-17.2
  text "1" at -127.542,151.8 h1.1
  text "2" at -100.542,151.8 h1.1
  text "3" at -72.542,151.8 h1.1
  text "4" at -44.542,151.8 h1.1
  text "5" at -16.242,151.8 h1.1
  text "6" at 10.758,151.8 h1.1
  text "7" at 37.758,151.8 h1.1
  text "8" at 66.758,151.8 h1.1
  text "9" at 92.458,151.8 h1.1
  text "10" at 121.458,151.8 h1.1
  text "A" at -142.842,137.5 h1.1
  text "A" at 135.758,137.5 h1.1
  text "B" at -142.842,109.5 h1.1
  text "B" at 135.858,109.5 h1.1
  text "C" at -142.842,81.5 h1.1
  text "C" at 135.858,81.5 h1.1
  text "D" at -142.842,53.5 h1.1
  text "D" at 135.858,53.5 h1.1
  text "E" at -142.842,25.5 h1.1
  text "E" at 135.858,25.5 h1.1
  text "F" at -142.842,-2.5 h1.1
  text "F" at 135.858,-2.5 h1.1
  text ".ProjectNumber" at -114.742,-22.4 h2.7
  text ".IndexPCBA" at -98.5,-22.5 h2.7
  text "-" at -100.7,-22.7 h3
  text ".Printout_Name" at -113.942,-28.4 h2
  text "G" at 135.858,-30.4 h1.1
  text "G" at -142.842,-30.5 h1.1
  text "TOLERANCE" at -71.942,-33.2 h1
  text "REVISION" at -58.342,-33.2 h1
  text "DATE" at -115.142,-34 h1.5
  text ".Print_Date" at -95.542,-34 h1.5
  text "ALTYOR" at -137.742,-35.2 h3
  text "121 Rue des Hetres" at -137.688,-37.079 h0.8
  text "0.2mm" at -71.942,-38 h2
  text ".ProjectPCBRev" at -58.742,-38 h2.5
  text "DESSINATEUR" at -115.142,-38.4 h1.5
  text ".PCBAutor" at -95.542,-38.4 h1.5
  text "45590 SAINT CYR EN VAL" at -137.842,-38.6 h0.8
  text "1" at -127.542,-41.9 h1.1
  text "2" at -100.542,-41.9 h1.1
  text "3" at -72.542,-41.9 h1.1
  text "4" at -44.542,-41.9 h1.1
  text "5" at -17.042,-41.9 h1.1
  text "6" at 9.958,-41.9 h1.1
  text "7" at 38.458,-41.9 h1.1
  text "8" at 65.458,-41.9 h1.1
  text "9" at 92.458,-41.9 h1.1
  text "10" at 121.458,-41.9 h1.1
bDocu:
  pour cut-out: -93.8,93.1 cw(c-93.8,94.1) -93.8,95.1 -92.8,95.1 cw(c-92.8,94.1) -91.8,94.1 cw(c-92.8,94.1) -92.8,93.1
  pour cut-out: -20.8,12.1 ccw(c-19.8,12.1) -19.8,11.1 -17.8,11.1 -17.8,-0.9 ccw(c-16.8,-0.9) -15.8,-0.9 -15.8,12.1 ccw(c-16.8,12.1) -16.8,13.1 -18.8,13.1 -18.8,32.1 ccw(c-18.8,35.1) -15.8,35.1 ccw(c-16.8,35.1) -15.8,35.102 -15.8,56.1 ccw(c-15.8,57.1) -14.8,57.1 ccw(c-15.8,57.1) -15.8,58.1 -16.8,58.1 ccw(c-16.8,57.1) -17.8,57.1 -17.8,35.1 ccw(c-16.8,35.1) -17.8,35.098 ccw(c-18.8,35.1) -17.8,35.1 -17.8,35.098 cw(c-18.8,35.1) -18.8,34.1 -19.8,34.1 ccw(c-19.8,33.1) -20.8,33.1
  pour cut-out: -17.8,72.1 cw(c-17.8,73.1) -17.8,74.1 -15.8,74.1 cw(c-15.8,73.1) -14.8,73.1 cw(c-15.8,73.1) -15.8,72.1
31 - DXF:
  drawing of 1667 lines, arcs and shapes, not listed
32 - DXF:
  drawing of 11590 lines, arcs and shapes, not listed

## Dimensions
52.5,94.6 to 52.5,-1 on 10 - Spec PCB
-0.5,74.3 to 57.8,89.3 on 10 - Spec PCB

## Text inside footprints (layer, text, board x,y; h text height)
ESD: TopOverlay "e" at 25.05,36.1 h11
RoHS: TopOverlay "c" at 18.4,2.7 h10
U4: 04 - Top Implant "*" at 20.2,87.8 h1.08
WEEE: TopOverlay "b" at 7.8,2.7 h10
X1: 04 - Top Implant "1" at 49.2,92.5 h0.5; TopOverlay "1" at 50,91.9 h0.8